# KiCad board xiao_Breadboard_r1.kicad_pcb (continued)
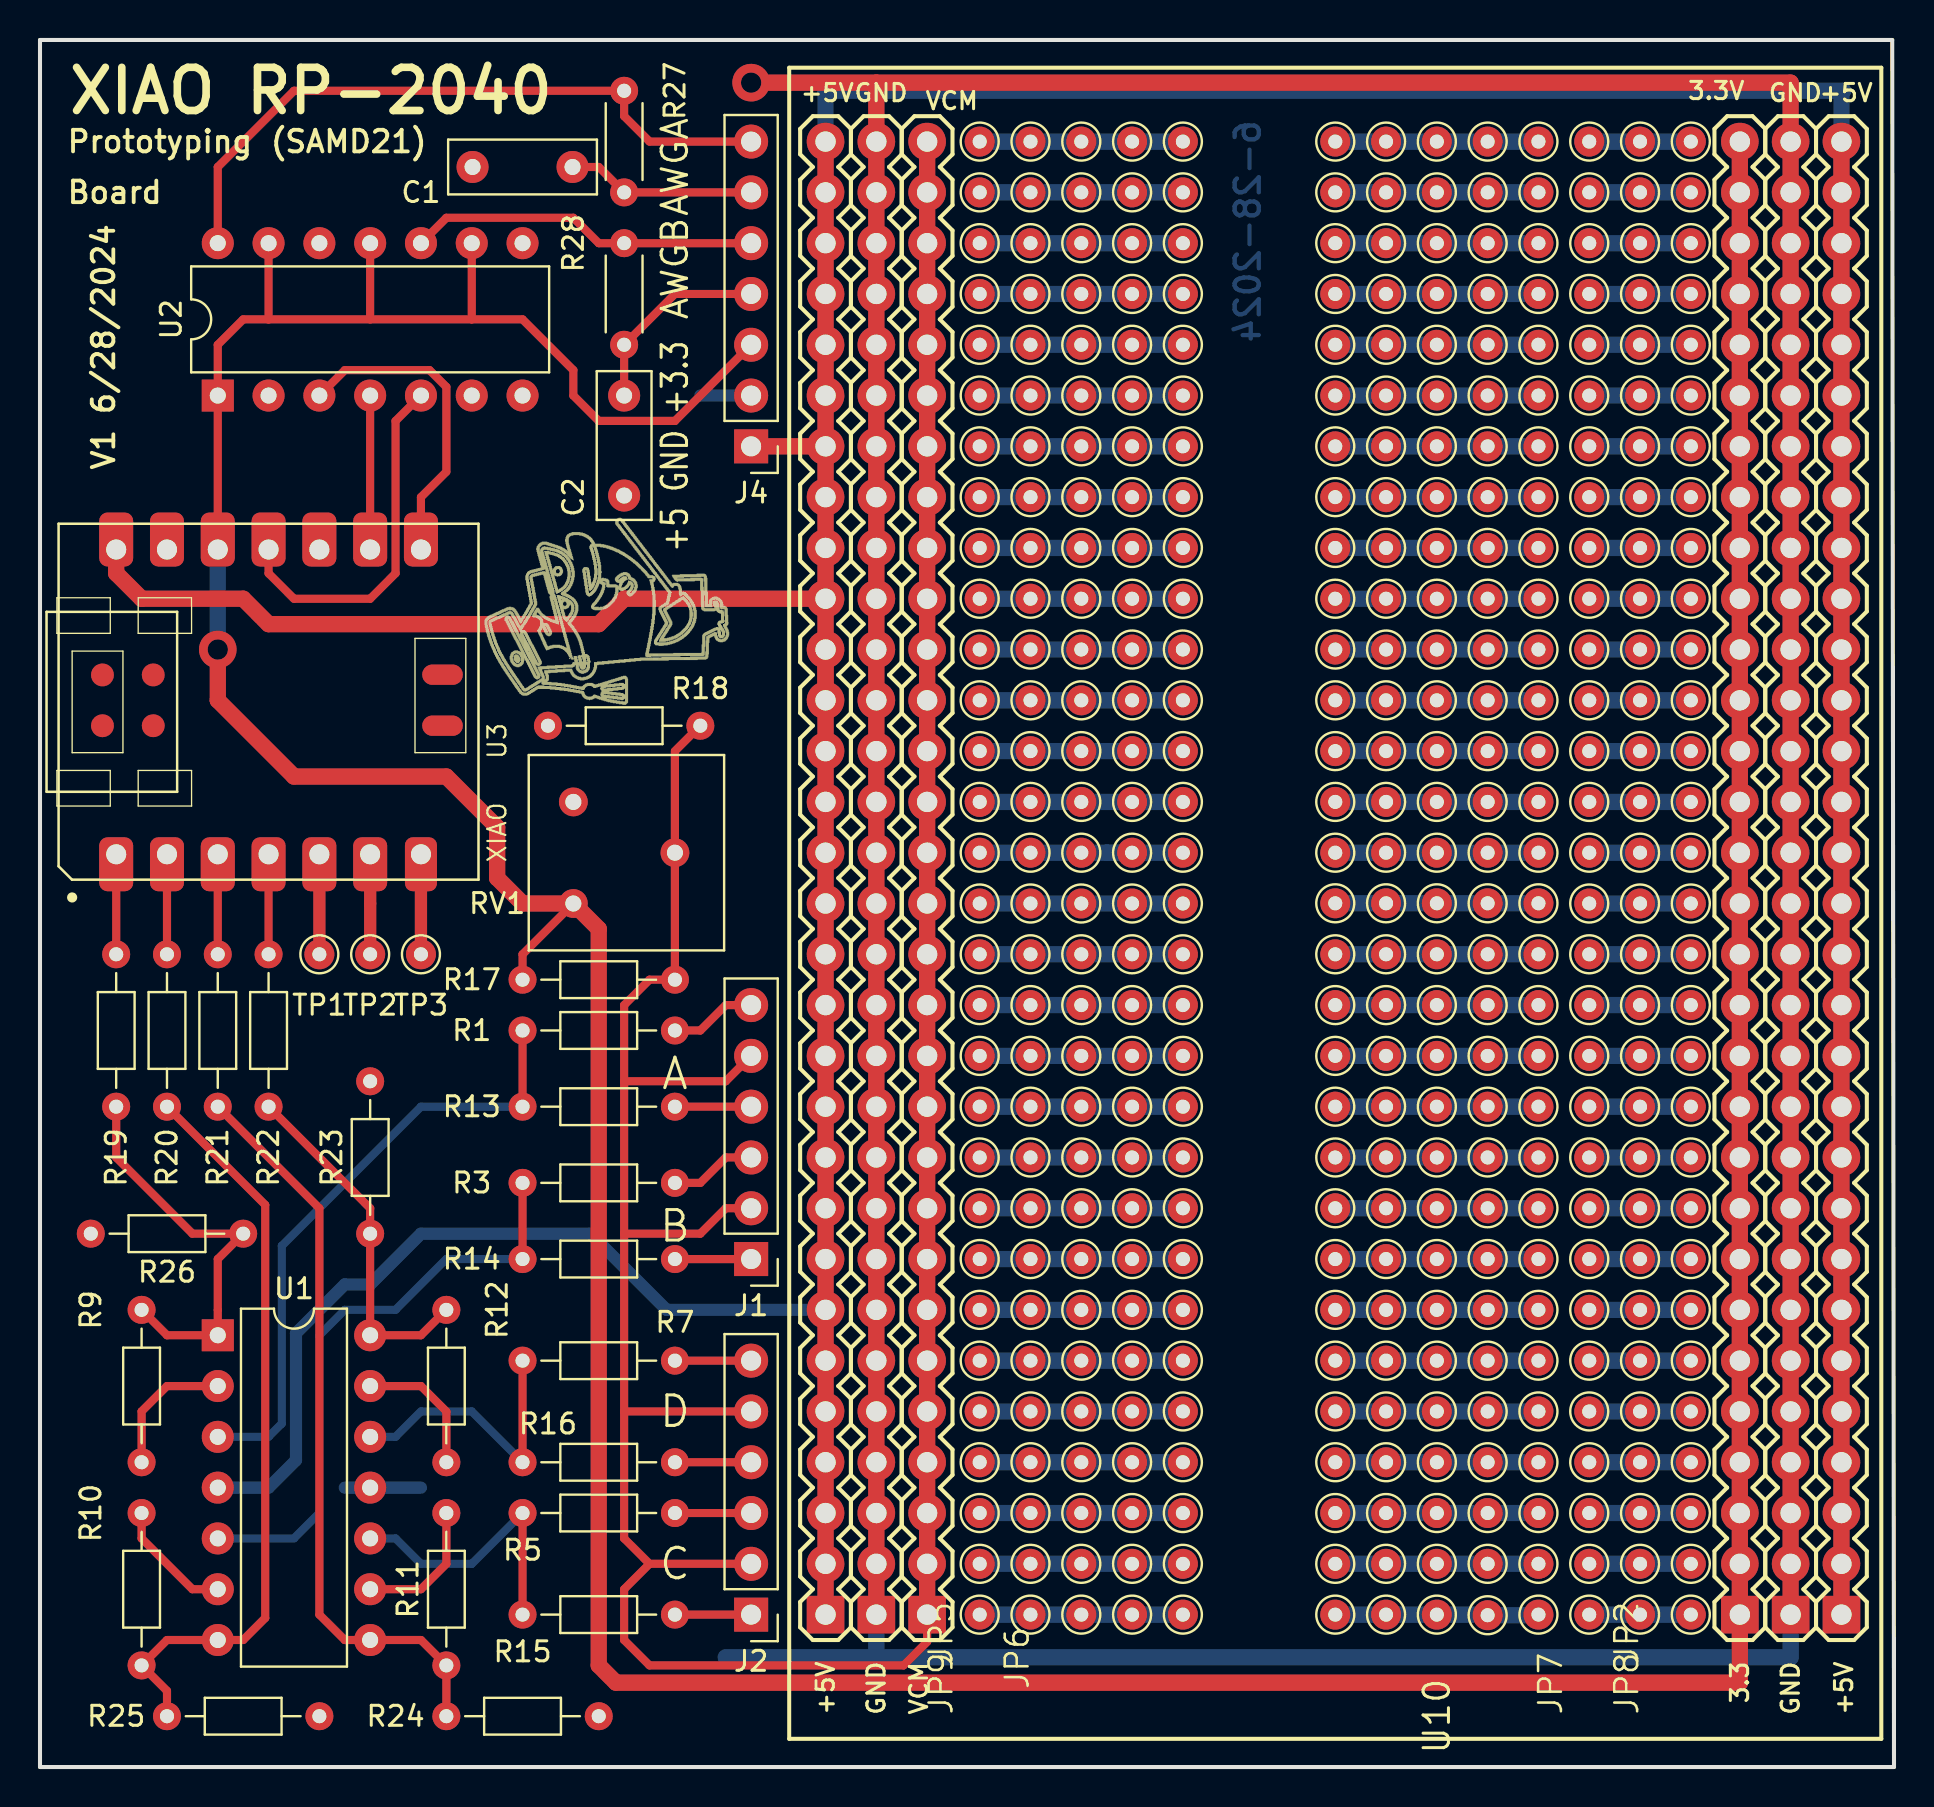
[diagram p0: board, top side]
## Routing (per net, layer and track width the routed paths; a pad name or vN(x,y) marks a point on that pad's centre or on a via; arc(x,y) is an arc through that point) (continued)
Net-(U3-PA4_A1_D1): length 5
  Top w0.406: R20.1 U3.2
Net-(U3-PA10_A2_D2): length 5
  Top w0.406: R21.1 U3.3
Net-(U3-PA11_A3_D3): length 5
  Top w0.406: R22.1 U3.4

## Copper pours and planes (outline as drawn; the poured copper is in the pictures)
GND on Bottom: 1.27,1.27 35.56,1.27 35.56,85.09 1.27,85.09

## Text on the board
Bottom: 6-28-2024
F.Silkscreen: GND | +5V | 3.3V | VCM | 3.3 | +5 GND +3.3 | Prototyping | Board | (SAMD21) | V1 6/28/2024 | AWGA | AWGB | A | B | D | C | XIAO RP-2040
